# Altium PCB 通用工装板.PcbDoc (part 9 of 10) (continued)
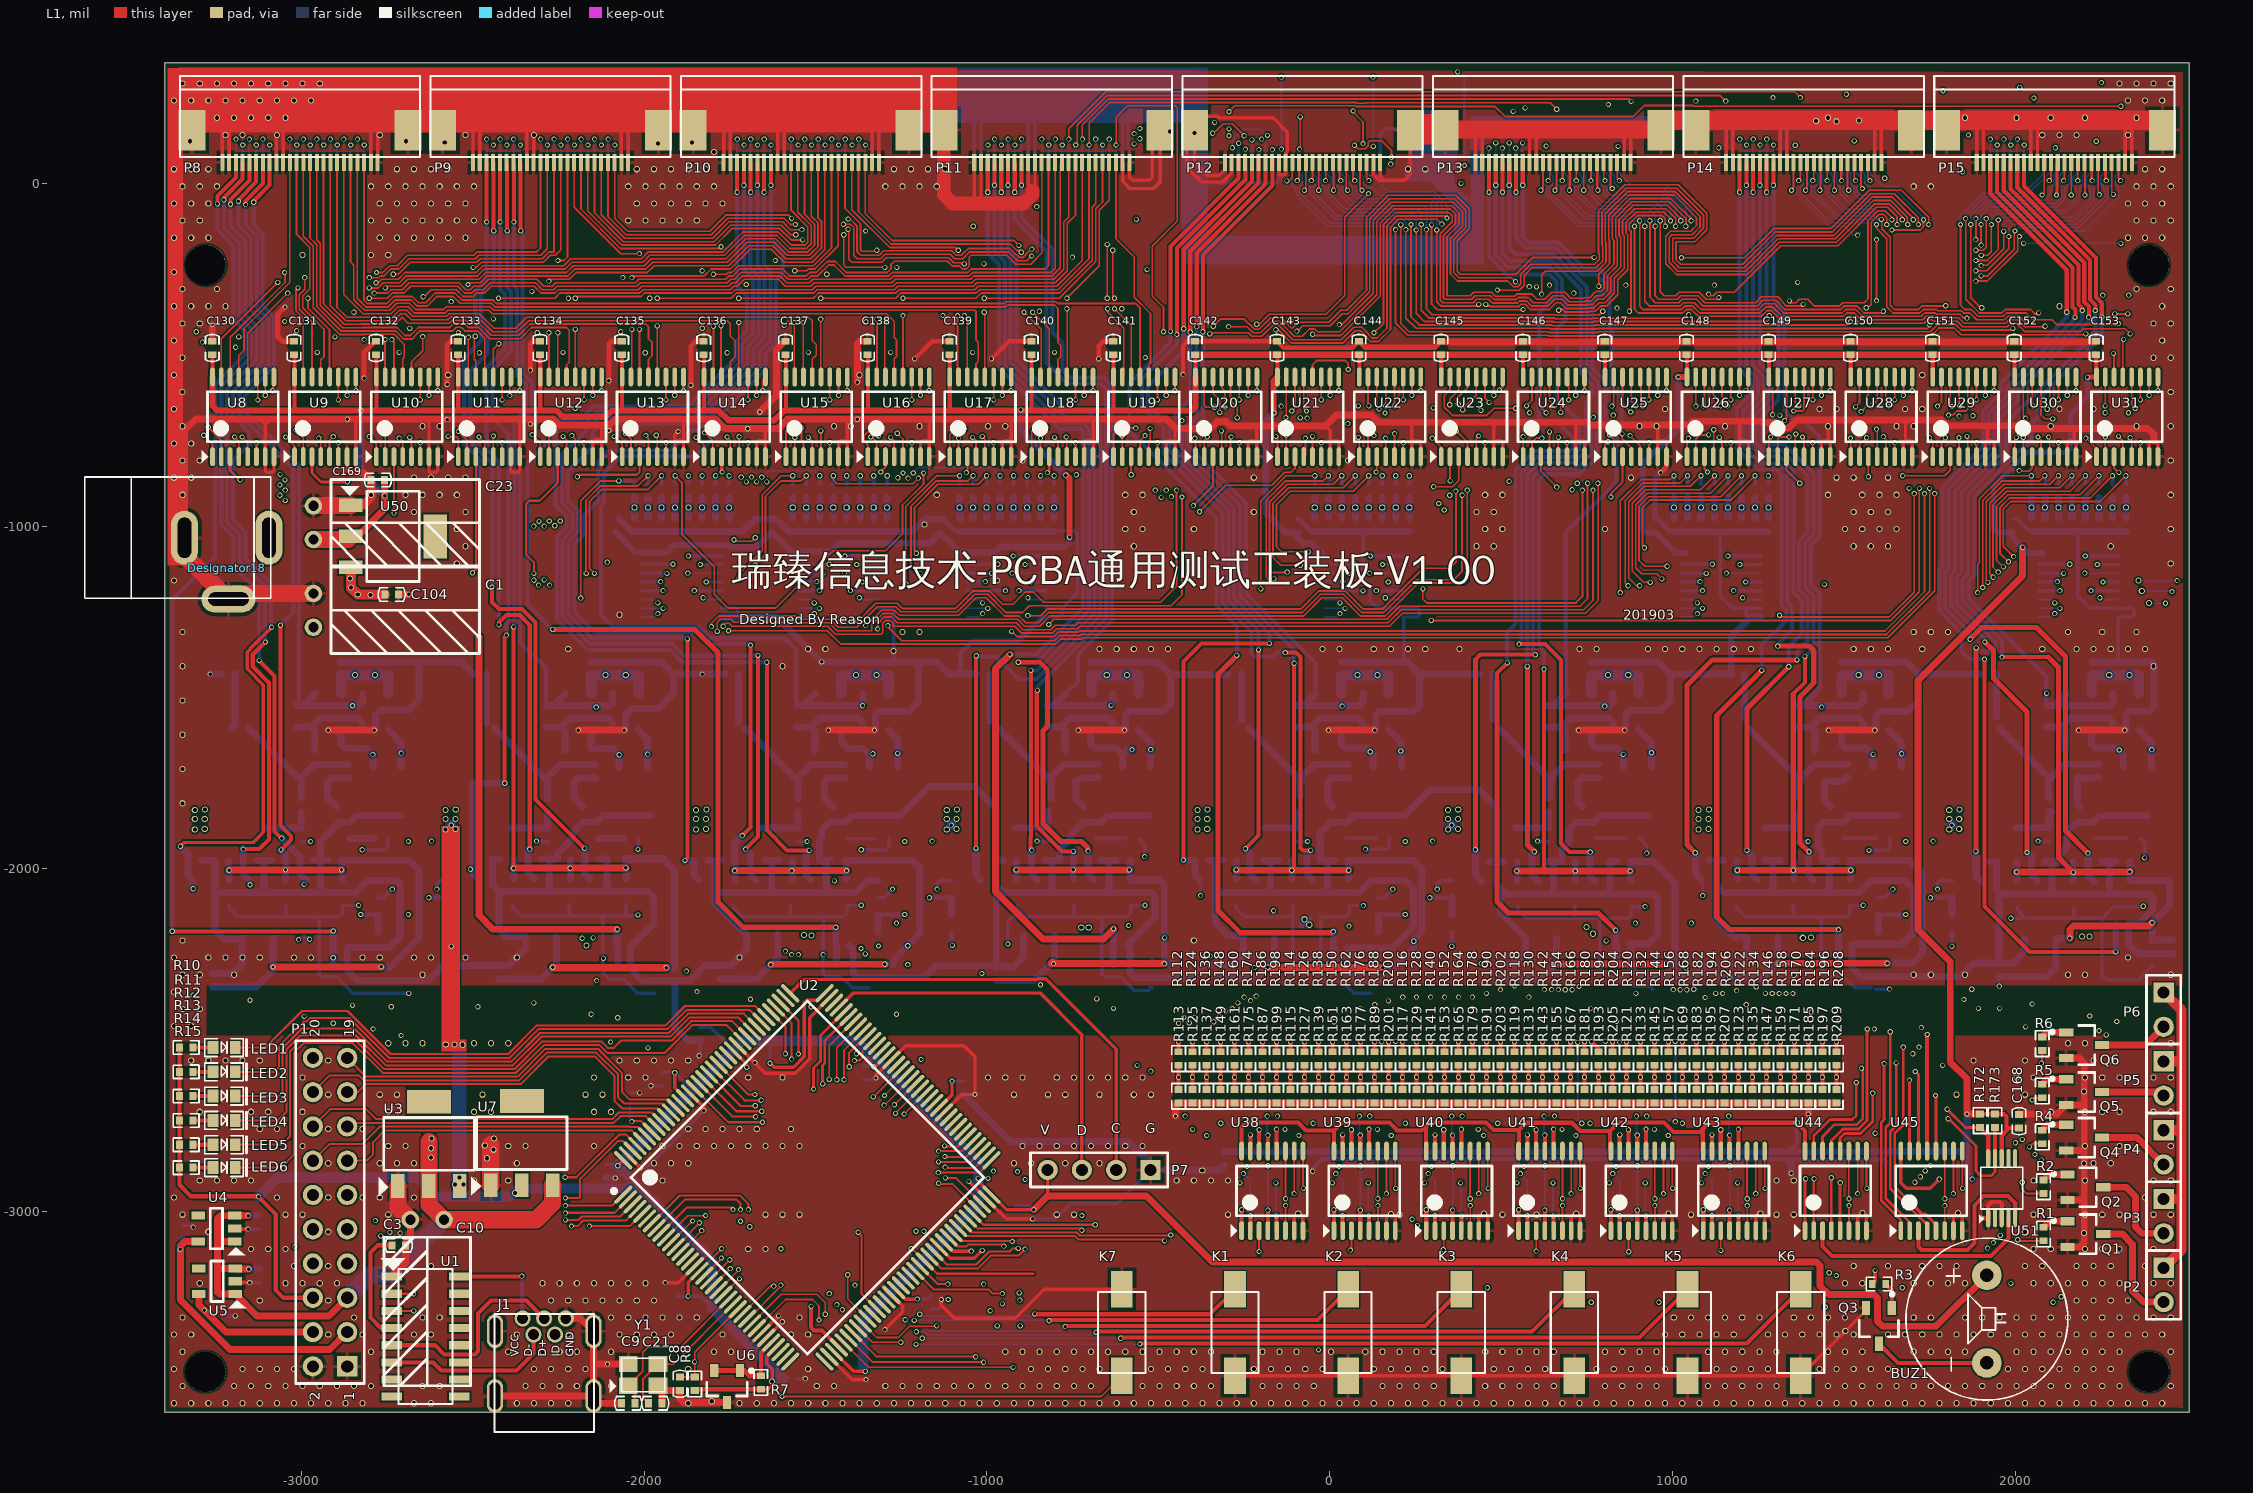
[diagram p0: L1 view]
## Nets (pads, with @x,y where several pads share a name; then routed paths per layer and width w, separated by ;. In a path a pad name is that pad's centre, name@x,y a point inside that pad or via, vN(x,y) a via of type N, cw(c..) or ccw(c..) an arc to the next point about the centre after c; other vN are vias at no path point) (continued)
  L4 w20: v1(597,-1950) 590.19,-1956.81 C85.2@590.19,-1978.7 590.19,-2018.07 U81.5@607.91,-2035.79
VCC+3V0_6: C86.2 P14.5 R190.1 U82.5 | length 3759.9
  L1 w12: R190.1@457.25,-2533.32 v1(457.25,-2504) ; v1(1235.01,-25.99) P14.5@1235.01,60.67
  L1 w15: v1(1217,-1946) 1217,-1532 v1(1339,-1410)
  L2 w6: v1(457,-2363) 457,-2358.51 457.25,-2358.25 v1(457.25,-2504) ; v1(1215,-2396) 1264,-2347 1264,-1993 v1(1217,-1946)
  L3 w6: v1(457,-2363) 462,-2368 563.5,-2368 573,-2358.5 586.42,-2358.5 586.92,-2358 607.92,-2379 731.89,-2379 741.89,-2369 784.11,-2369 800.11,-2385 860.23,-2385 876.73,-2401.5 1209.5,-2401.5 v1(1215,-2396)
  L4 w12: v1(1235.01,-25.99) 1235.01,-532.93 1266.5,-564.42 1266.5,-625.75 1224,-668.25 1224,-761.08 1258.92,-796 1312.08,-796 1352,-835.92 1352,-1192 1377,-1217 1377,-1313 1339,-1351 v1(1339,-1410)
  L4 w20: v1(1217,-1946) 1231.92,-1960.92 C86.2@1231.92,-1974.76 1231.92,-2014.13 U82.5@1249.64,-2031.85
VCC+3V0_7: C87.2 P15.5 R202.1 U83.5 | length 4703.5
  L1 w12: R202.1@498.08,-2533.32 v1(498.08,-2504) ; P15.5@1966.17,60.67 1966.17,-20.46 2184,-238.29 2184,-353.29 2195.5,-364.79 2195.5,-371.5 v1(2195,-371)
  L1 w15: v1(1911,-1338) 1936,-1363 1936,-1444 2034,-1542 v1(2034,-1952)
  L2 w6: v1@498,-2348.17 v1(498,-2352) 498.08,-2352.08 v1(498.08,-2504) ; v1(2034,-1952) 2049,-1967 v1(2049,-2394)
  L3 w6: v1(498,-2352) 503,-2357 558,-2357 568,-2347 591.48,-2347 612.48,-2368 724,-2368 734,-2358 788.67,-2358 804.67,-2374 864.78,-2374 881.28,-2390.5 1190.5,-2390.5 1200.5,-2380.5 1226.5,-2380.5 1247,-2401 1383.52,-2401 1393.02,-2391.5 1414.98,-2391.5 1428.48,-2405 1502.11,-2405 1520.11,-2423 2020,-2423 v1(2049,-2394)
  L4 w12: v1(1911,-1338) 1911,-1331.12 1812,-1232.12 1812,-1140.88 1824,-1128.88 1824,-897.08 1939.38,-781.71 1939.38,-678.01 1990.56,-626.83 1990.56,-602.48 2195,-398.04 v1(2195,-371)
  L4 w20: v1(2034,-1952) C87.2@2048.92,-1966.92 ; C87.2@2046.88,-1978.7 2046.88,-2018.07 U83.5@2064.6,-2035.79
VCC+3V3_0: C96.2 P8.6 R118.1 U84.5 | length 7065.3
  L1 w10: v1(-3353,-1934) -3342,-1923 -3141,-1923 -3111,-1893 -3111,-1463.63 -3158,-1416.63 -3158,-1368.37 -3150,-1360.37 -3150,-1358 v1(-3087,-1295)
  L1 w12: v1(-3184,-52) -3184,-48.12 -3132.25,3.62 P8.6@-3132.25,60.67 ; R118.1@538.91,-2533.32 v1(538.91,-2504)
  L2 w6: v1(-3316,-2368) v1(-3316,-2058) ; v1(538.91,-2504) 538.91,-2341.09 v1(539,-2341)
  L3 w6: v1(-3316,-2368) -3315,-2367 -3135,-2367 -3108,-2394 -2903.44,-2394 -2880.39,-2417.06 -2880.39,-2417.5 -2379.5,-2417.5 -2336.5,-2374.5 -2045.27,-2374.5 -2035.27,-2384.5 -1735,-2384.5 -1715,-2364.5 -1675,-2364.5 -1666,-2373.5 -1553.09,-2373.5 -1533.09,-2353.5 -1309.84,-2353.5 -1298.84,-2342.5 -870.42,-2342.5 -849.92,-2322 -831,-2322 -821.5,-2331.5 -716.65,-2331.5 -688.15,-2303 -322.89,-2303 -312.39,-2292.5 -247,-2292.5 -225.5,-2271 -175.08,-2271 -131.58,-2314.5 332.06,-2314.5 353.56,-2336 534,-2336 v1(539,-2341)
  L4 w12: v1(-3184,-52) -3184,-122.88 -3147,-159.88 -3147,-370 -3113.5,-403.5 -3113.5,-520.46 -3200,-606.96 -3200,-678 -3153,-725 -3153,-762 -3200,-809 -3200,-980.92 -3164,-1016.92 -3164,-1092.59 -3089,-1167.59 -3089,-1293 v1(-3087,-1295)
  L4 w20: v1(-3353,-1934) -3331.07,-1955.93 C96.2@-3331.07,-1974.76 -3331.07,-2018.07 U84.5@-3317.29,-2031.85 -3317.29,-2056.71 v1(-3316,-2058)
VCC+3V3_1: C97.2 P9.6 R130.1 U85.5 | length 6089.7
  L1 w12: v1(-2407,-1750) -2407,-1323 v1(-2402,-1318) ; P9.6@-2400.58,60.67 -2400.58,-137.79 v1(-2399.69,-138.67) ; R130.1@579.74,-2533.32 v1(579.74,-2504)
  L2 w6: v1(-2507,-2001) -2511,-2001 -2485,-2027 v1(-2485,-2402) ; v1(579.74,-2504) 579.74,-2425.26 626,-2379 v1(626,-2352)
  L3 w6: v1(-2485,-2402) -2480.5,-2406.5 -2384.06,-2406.5 -2341.06,-2363.5 -2040.72,-2363.5 -2030.72,-2373.5 -1739.56,-2373.5 -1719.56,-2353.5 -1670.44,-2353.5 -1661.44,-2362.5 -1557.65,-2362.5 -1537.65,-2342.5 -1314.39,-2342.5 -1303.39,-2331.5 -874.98,-2331.5 -854.48,-2311 -826.44,-2311 -816.94,-2320.5 -721.2,-2320.5 -692.7,-2292 -327.45,-2292 -316.95,-2281.5 -251.56,-2281.5 -230.06,-2260 -170.52,-2260 -127.02,-2303.5 336.61,-2303.5 358.11,-2325 546,-2325 557,-2336 596.03,-2336 612.03,-2352 v1(626,-2352)
  L4 w12: v1(-2402,-1318) -2402,-1280 -2395.89,-1273.89 -2395.89,-731.11 -2443,-684 -2443,-545.04 -2388.5,-490.54 -2388.5,-315.5 -2399.69,-304.31 v1(-2399.69,-138.67)
  L4 w20: U85.5@-2486.58,-2027.91 -2500.36,-2014.13 C97.2@-2500.36,-1970.83 -2500.36,-1753.36 -2496,-1749 -2408,-1749 v1(-2407,-1750)
VCC+3V3_2: C98.2 P10.6 R142.1 U86.5 | length 6094.4
  L1 w12: v1(-1881,-1975) -1874,-1968 v1(-1874,-1329) ; v1(-1669.93,-5.7) P10.6@-1669.93,60.67 ; R142.1@620.57,-2533.32 v1(620.57,-2504)
  L2 w6: v1(-1881,-1975) -1846,-2010 v1(-1846,-2358) ; v1(620.57,-2504) 620.57,-2400.43 647,-2374 v1(647,-2352)
  L3 w6: v1(-1846,-2358) -1846,-2354.5 -1838,-2362.5 -1744.11,-2362.5 -1724.11,-2342.5 -1665.89,-2342.5 -1656.89,-2351.5 -1562.2,-2351.5 -1542.2,-2331.5 -1318.95,-2331.5 -1307.95,-2320.5 -879.53,-2320.5 -859.03,-2300 -821.89,-2300 -812.39,-2309.5 -725.76,-2309.5 -697.26,-2281 -509.92,-2281 -489.42,-2260.5 -475.5,-2260.5 -455,-2281 -332.01,-2281 -321.51,-2270.5 -256.11,-2270.5 -234.61,-2249 -165.97,-2249 -122.47,-2292.5 117.5,-2292.5 137.74,-2272.26 164.26,-2272.26 184.5,-2292.5 341.17,-2292.5 362.67,-2314 550.56,-2314 561.56,-2325 620.92,-2325 647,-2351.08 v1(647,-2352)
  L4 w12: v1(-1874,-1329) -1876,-1327 -2151.04,-1327 -2220.5,-1257.54 -2220.5,-1045.58 -2192.5,-1017.58 -2192.5,-956.42 -2223,-925.92 -2223,-841.1 -2150.9,-769 -2150.9,-726.1 -2126.8,-702 -1851.88,-702 -1682,-532.12 -1682,-484.08 -1649,-451.08 -1649,-263.92 -1669.93,-242.98 v1(-1669.93,-5.7)
  L4 w20: v1(-1881,-1975) -1881,-1976 -1879.76,-1974.76 C98.2@-1854.69,-1974.76 -1854.69,-2018.07 U86.5@-1840.91,-2031.85
VCC+3V3_3: C99.2 P11.6 R154.1 U87.5 | length 4958.2
  L1 w12: v1(-1032,-1940) -1032,-1379 -1033,-1378 v1(-1031,-1378) ; v1(-938.78,-5.7) P11.6@-938.78,60.67 ; R154.1@661.4,-2533.32 v1(661.4,-2504)
  L2 w6: v1(-1032,-1940) -1015,-1957 v1(-1015,-2305) ; v1(661.4,-2504) 661.4,-2408.6 667,-2403 v1(667,-2352)
  L3 w6: v1(-1015,-2305) -1015,-2303 -1008.5,-2309.5 -884.09,-2309.5 -863.59,-2289 -817.33,-2289 -807.83,-2298.5 -730.31,-2298.5 -701.81,-2270 -514.48,-2270 -493.98,-2249.5 -470.94,-2249.5 -450.44,-2270 -336.56,-2270 -326.06,-2259.5 -260.67,-2259.5 -239.17,-2238 -161.41,-2238 -117.91,-2281.5 112.94,-2281.5 133.19,-2261.26 168.81,-2261.26 189.06,-2281.5 345.73,-2281.5 367.23,-2303 555.11,-2303 566.11,-2314 630.92,-2314 667,-2350.08 v1(667,-2352)
  L4 w12: v1(-1031,-1378) -1028,-1381 -973,-1381 -908,-1446 -855.08,-1446 -669,-1259.92 -669,-701.88 -705.88,-665 -764.96,-665 -914,-515.96 -914,-214.88 -938.78,-190.1 v1(-938.78,-5.7)
  L4 w20: v1(-1032,-1940) -1031.86,-1940.14 C99.2@-1031.86,-1974.76 -1031.86,-2018.07 U87.5@-1018.08,-2031.85
VCC+3V3_4: C100.2 P12.6 R166.1 U88.5 | length 4120.3
  L1 w12: v1(-427,-1974) -427,-1395 -374,-1342 v1(-176,-1342) ; v1(-407,-434) -407,-198.12 -208.32,0.56 P12.6@-208.32,73 ; R166.1@702.23,-2533.32 v1(702.23,-2504)
  L2 w6: v1(-377,-2078) -377,-2226 v1(-349,-2254) ; v1(687,-2352.5) 687,-2488.77 v1(702.23,-2504)
  L3 w6: v1(-349,-2254) -343.5,-2248.5 -272,-2248.5 -250.5,-2227 -156.85,-2227 -113.35,-2270.5 108.39,-2270.5 128.63,-2250.26 173.37,-2250.26 193.61,-2270.5 350.28,-2270.5 371.78,-2292 559.67,-2292 570.67,-2303 639.92,-2303 687,-2350.08 v1(687,-2352.5) 686,-2353.5 v1@686,-2356
  L4 w6: U88.5@-380.28,-2031.85 -377,-2035.13 v1(-377,-2078)
  L4 w12: v1(-407,-434) -407,-631 -450.22,-674.22 -450.22,-775.83 -279,-947.04 -279,-1210.08 -176,-1313.08 v1(-176,-1342)
  L4 w20: v1(-427,-1974) -426.24,-1974.76 C100.2@-394.06,-1974.76 -394.06,-2018.07 U88.5@-380.28,-2031.85
VCC+3V3_5: C101.2 P13.6 R180.1 U89.5 | length 3422.7
  L1 w12: 425,-1389 439,-1375 v1(600,-1375) ; v1(523.54,-5.7) P13.6@523.54,60.67 ; R180.1@743.06,-2533.32 v1(743.06,-2504)
  L1 w15: v1(425,-1944) 425,-1389
  L2 w6: v1(425,-1944) 442,-1961 v1(442,-2276) ; v1(707,-2352.5) 707,-2467.94 v1(743.06,-2504)
  L3 w6: v1(442,-2276) 447,-2281 564.23,-2281 575.23,-2292 648.42,-2292 707,-2350.58 v1(707,-2352.5)
  L4 w12: v1(523.54,-5.7) 523.54,-189.54 540,-206 653.12,-206 750,-302.88 750,-546.96 784,-580.96 784,-627.04 787.5,-630.54 787.5,-694.5 762,-720 762,-791.12 721.62,-831.5 618.62,-831.5 593,-857.12 593,-1368 v1(600,-1375)
  L4 w20: v1(425,-1944) 424.83,-1944.17 C101.2@424.83,-1978.7 424.83,-2018.07 U89.5@442.55,-2035.79
VCC+3V3_6: C102.2 P14.6 R192.1 U90.5 | length 3495.3
  L1 w12: v1(764,-2504) 783.89,-2523.89 R192.1@783.89,-2533.32 ; v1(1254.7,-5.7) P14.6@1254.7,60.67
  L1 w15: v1(1066,-1953) 1042,-1929 1042,-1464 1116,-1390 v1(1363,-1390)
  L2 w6: v1(727,-2343) 725,-2345 725,-2445.11 764,-2484.11 v1(764,-2504) ; v1(1088,-2078) 1096,-2086 1095,-2087 1097,-2089 1095,-2091 v1(1095,-2375)
  L3 w6: v1(727,-2343) 789.23,-2343 809.23,-2363 869.34,-2363 885.34,-2379 1091,-2379 v1(1095,-2375)
  L4 w6: U90.5@1084.28,-2031.85 1088,-2035.57 v1(1088,-2078)
  L4 w12: v1(1254.7,-5.7) 1254.7,-528.58 1283.5,-557.38 1283.5,-632.79 1241.14,-675.14 1241.14,-754.19 1265.96,-779 1319.12,-779 1394,-853.88 1394,-1018 1369,-1043 1369,-1184.96 1394,-1209.96 1394,-1335 1363,-1366 v1(1363,-1390)
  L4 w20: v1(1066,-1953) 1066.57,-1953.57 C102.2@1066.57,-1974.76 1066.57,-2014.13 U90.5@1084.28,-2031.85
VCC+3V3_7: C103.2 P15.6 R204.1 U91.5 | length 4176.8
  L1 w12: R204.1@824.72,-2533.32 v1(824.72,-2504) ; P15.6@1985.86,60.67 1985.86,-16.1 2201,-231.25 2201,-346.25 2214.5,-359.75 2214.5,-389.5 v1(2214,-390)
  L1 w15: v1(1885,-1949) 1885,-1356 v1(1886,-1355)
  L2 w6: v1(824.72,-2504) 882.51,-2446.21 882.51,-2373.49 v1(893,-2363) ; v1(1885,-1949) 1892,-1956 v1(1892,-2407)
  L3 w6: v1(893,-2363) 898,-2368 1067,-2368 1078.5,-2356.5 1097.5,-2356.5 1100.5,-2359.5 1101.42,-2359.5 1110.5,-2368.58 1110.5,-2369.5 1120,-2379 1186.44,-2379 1195.94,-2369.5 1231.06,-2369.5 1251.56,-2390 1378.97,-2390 1388.47,-2380.5 1419.53,-2380.5 1433.03,-2394 1506.67,-2394 1524.67,-2412 1883,-2412 1888,-2407 v1(1892,-2407)
  L4 w12: v1(1886,-1355) 1897,-1366 1929.98,-1366 1943.98,-1352 1943.98,-1340.06 1829,-1225.08 1829,-1147.92 1843,-1133.92 1843,-902.12 1956.38,-788.75 1956.38,-685.06 2007.56,-633.87 2007.56,-609.53 2214,-403.08 v1(2214,-390)
  L4 w20: v1(1885,-1949) 1885.46,-1949.46 C103.2@1885.46,-1978.7 1885.46,-2022.01 U91.5@1899.24,-2035.79
VCC+5V0-0: C25.2 C40.2 C56.2 C72.2 C88.2 P8.7 R120.1 U52.2 U60.1 U68.1 U76.1 U84.1 | length 8275.9
  L1 w12: v1(-3163,-62) -3163,-51.17 -3112.57,-0.73 P8.7@-3112.57,60.67 ; v1(-3061,-1289) -3061,-1873 -3030,-1904 -3030,-1915 v1(-3059.68,-1944.68) ; R120.1@865.55,-2533.32 v1(865.55,-2504)
  L1 w20: v1(-3211,-2004) -3210,-2003 v1(-3046.5,-2003) v1(-2883,-2003) ; v1(-3083,-2286) -3082.79,-2285.79 v1(-2767,-2285.79)
  L2 w6: v1(-2767,-2285.79) -2739.21,-2285.79 -2738,-2287 v1(-2738,-2402) ; v1(865.55,-2504) 876,-2504 1002,-2378 v1(1002,-2352)
  L3 w6: v1(-2738,-2402) -2733.5,-2406.5 -2511.42,-2406.5 -2491.42,-2386.5 -2379.61,-2386.5 -2345.61,-2352.5 -2036.16,-2352.5 -2026.16,-2362.5 -1875.5,-2362.5 -1854,-2341 -1833,-2341 -1822.5,-2351.5 -1748.67,-2351.5 -1728.67,-2331.5 -1661.33,-2331.5 -1652.33,-2340.5 -1566.76,-2340.5 -1546.76,-2320.5 -1323.51,-2320.5 -1312.51,-2309.5 -1041.42,-2309.5 -1021.42,-2289.5 -879.65,-2289.5 -849.15,-2259 -519.03,-2259 -498.53,-2238.5 -466.39,-2238.5 -445.89,-2259 -375.92,-2259 -354.42,-2237.5 -276.56,-2237.5 -255.06,-2216 -152.3,-2216 -108.8,-2259.5 103.83,-2259.5 124.08,-2239.26 177.92,-2239.26 198.17,-2259.5 494.5,-2259.5 505,-2270 643.08,-2270 652.58,-2260.5 665.42,-2260.5 732.42,-2327.5 789.28,-2327.5 813.78,-2352 873.89,-2352 878.39,-2347.5 997.5,-2347.5 v1(1002,-2352)
  L4 w12: v1(-3163,-62) -3163,-119.83 -3130,-152.83 -3130,-362.96 -3096.5,-396.46 -3096.5,-527.5 -3181.42,-612.42 -3181.42,-672.54 -3024,-829.96 -3024,-1252 v1(-3061,-1289)
  L4 w20: C40.2@-3260.2,-2344.84 -3131.84,-2344.84 -3083.04,-2296.04 ; U84.1@-3210.99,-2031.85 C25.2@-3210.99,-1976.73 ; v1(-3083,-2286) U52.2@-3083.04,-2202.13 ; v1(-3059.68,-1944.68) -3047.61,-1956.75 C56.2@-3047.61,-1974.76 ; U76.1@-3045.64,-2031.85 C56.2@-3045.64,-1976.73 ; v1(-2883,-2003) v1@-2882.25,-2003 ; U68.1@-2880.28,-2031.85 -2882.25,-2029.88 v1@-2882.25,-2003 ; U60.1@-2801.54,-2287.76 -2799.57,-2285.79 v1(-2767,-2285.79) C88.2@-2740.52,-2285.79 -2657,-2202.27 -2657,-2003 -2685.24,-1974.76 C72.2@-2882.25,-1974.76 v1@-2882.25,-2003
VCC+5V0-1: C27.2 C41.2 C57.2 C73.2 C89.2 P9.7 R132.1 U53.2 U61.1 U69.1 U77.1 U85.1 | length 7052
  L1 w12: v1(-2381,-1998) v1(-2381,-1294) ; v1(-2380.32,-112.67) P9.7@-2380.32,60.67 ; R132.1@906.38,-2533.32 v1(906.38,-2504)
  L1 w20: v1(-2381,-1998) -2380,-1997 v1@-2216,-1997 ; v1(-2216,-1998) v1@-2216,-1997 ; v1(-2053.51,-1997) v1@-2216,-1997
  L1 w22: v1(-2267,-2287) -2266.24,-2287.76 v1(-1936,-2287.76)
  L2 w6: v1(-1936,-2287.76) -1887.24,-2287.76 v1(-1877,-2298) ; v1(906.38,-2504) 1021,-2389.38 1021,-2353.5 v1(1022,-2352.5)
  L3 w6: v1(-1877,-2298) -1845,-2330 -1742.73,-2330 -1733.23,-2320.5 -1656.77,-2320.5 -1647.77,-2329.5 -1571.31,-2329.5 -1551.31,-2309.5 -1328.06,-2309.5 -1317.06,-2298.5 -1045.98,-2298.5 -1025.98,-2278.5 -885,-2278.5 -854.5,-2248 -523.59,-2248 -503.09,-2227.5 -461.83,-2227.5 -441.33,-2248 -380.48,-2248 -358.98,-2226.5 -281.11,-2226.5 -259.61,-2205 -147.74,-2205 -104.24,-2248.5 99.27,-2248.5 119.52,-2228.26 182.48,-2228.26 202.73,-2248.5 499.06,-2248.5 509.56,-2259 638.52,-2259 648.02,-2249.5 669.98,-2249.5 736.98,-2316.5 793.84,-2316.5 818.34,-2341 869.34,-2341 873.84,-2336.5 1008.42,-2336.5 1022,-2350.08 v1(1022,-2352.5)
  L4 w12: v1(-2381,-1294) -2378.89,-1291.89 -2378.89,-692.89 -2344.71,-658.71 -2344.71,-587.29 -2371.5,-560.5 -2371.5,-308.46 -2380.32,-299.64 v1(-2380.32,-112.67)
  L4 w20: C57.2@-2425.56,-2321.22 -2300.22,-2321.22 -2256.27,-2277.27 U53.2@-2256.27,-2198.19 ; U85.1@-2380.28,-2027.91 C89.2@-2380.28,-1972.8 ; U77.1@-2214.93,-2027.91 C41.2@-2214.93,-1972.8 ; U69.1@-2053.51,-2027.91 v1(-2053.51,-1997) C73.2@-2053.51,-1972.8
  L4 w22: C73.2@-2055.48,-1970.83 -1945.17,-1970.83 -1911.78,-2004.22 -1911.78,-2287.76 v1(-1936,-2287.76) U61.1@-1970.83,-2287.76
VCC+5V0-2: C29.2 C42.2 C58.2 C74.2 C90.2 P10.7 R144.1 U54.2 U62.1 U70.1 U78.1 U86.1 | length 7279.2
  L1 w12: v1(-1714,-1903) -1690,-1879 v1(-1690,-1347) ; v1(-1650.25,-25.99) P10.7@-1650.25,60.67 ; R144.1@947.21,-2533.32 v1(947.21,-2504)
  L1 w20: v1(-1736,-2005) v1(-1569,-2005) v1(-1409.81,-2005) ; v1(-1631,-2279) -1629.91,-2277.91 v1(-1298,-2277.91)
  L2 w6: v1(-1231,-2279) v1(-1231,-2224) ; v1(947.21,-2504) 1042,-2409.21 v1(1042,-2352.5)
  L3 w6: v1(-1231,-2279) -1222.5,-2287.5 -1050.53,-2287.5 -1030.53,-2267.5 -889.56,-2267.5 -859.06,-2237 -528.15,-2237 -507.65,-2216.5 -457.27,-2216.5 -436.77,-2237 -385.03,-2237 -363.53,-2215.5 -285.67,-2215.5 -264.17,-2194 -143.19,-2194 -99.69,-2237.5 94.72,-2237.5 114.96,-2217.26 187.04,-2217.26 207.28,-2237.5 306,-2237.5 333,-2210.5 415,-2210.5 442,-2237.5 503.61,-2237.5 514.11,-2248 633.97,-2248 643.47,-2238.5 674.53,-2238.5 741.53,-2305.5 798.39,-2305.5 822.89,-2330 864.78,-2330 869.28,-2325.5 1016.92,-2325.5 1042,-2350.58 v1(1042,-2352.5)
  L4 w12: v1(-1690,-1347) -1693,-1344 -1814.04,-1344 -1848.04,-1310 -2144,-1310 -2203.5,-1250.5 -2203.5,-1052.62 -2175.5,-1024.62 -2175.5,-967.54 -2133.9,-925.94 -2133.9,-811 -2101.9,-779 -1925,-779 -1865,-719 -1844.83,-719 -1663.92,-538.08 -1663.92,-490.04 -1632,-458.12 -1632,-256.88 -1650.25,-238.63 v1(-1650.25,-25.99)
  L4 w20: C90.2@-1779.89,-2321.22 -1672.22,-2321.22 -1610.6,-2259.6 U54.2@-1610.6,-2190.32 ; C58.2@-1736.58,-1974.76 -1736.58,-1925.58 v1(-1714,-1903) ; U86.1@-1734.61,-2031.85 C58.2@-1734.61,-1976.73 ; U78.1@-1567.29,-2029.88 C29.2@-1567.29,-1974.76 ; U70.1@-1409.81,-2029.88 v1(-1409.81,-2005) C74.2@-1409.81,-1974.76 -1219.24,-1974.76 -1196,-1998 -1196,-2189 v1(-1231,-2224) -1272.02,-2265.02 C42.2@-1272.02,-2277.91 v1(-1298,-2277.91) U62.1@-1331.07,-2277.91
VCC+5V0-3: C31.2 C43.2 C59.2 C75.2 C91.2 P11.7 R156.1 U55.2 U63.1 U71.1 U79.1 U87.1 | length 5776.8
  L1 w12: v1(-919.09,-25.99) P11.7@-919.09,60.67 ; v1(-853,-1479) -854,-1479 -855,-1480 -855,-1875 -781,-1949 v1(-748,-1949) ; R156.1@988.04,-2533.32 v1(988.04,-2504)
  L1 w20: v1(-915,-2003) v1(-748,-2003) v1(-585,-2003) ; v1(-806,-2276) -813.17,-2276 -809.17,-2272 -805.17,-2276 v1(-483,-2276)
  L2 w6: v1(988.04,-2504) 988.04,-2490.96 1057.5,-2421.5 1057.5,-2355.5 v1(1062,-2351)
  L3 w6: v1(-482,-2201) -457.22,-2201 -432.22,-2226 -389.59,-2226 -368.09,-2204.5 -290.23,-2204.5 -268.73,-2183 -138.63,-2183 -95.13,-2226.5 90.16,-2226.5 110.41,-2206.26 191.59,-2206.26 211.84,-2226.5 301.44,-2226.5 328.44,-2199.5 419.56,-2199.5 446.56,-2226.5 508.17,-2226.5 518.67,-2237 629.41,-2237 638.91,-2227.5 679.09,-2227.5 746.09,-2294.5 802.95,-2294.5 827.45,-2319 860.23,-2319 864.73,-2314.5 1025.92,-2314.5 1062,-2350.58 v1(1062,-2351)
  L4 w12: v1(-919.09,-25.99) -919.09,-104.91 -826,-198 -826,-524 -766,-584 -669,-584 -652,-601 -652,-1266.96 -853,-1467.96 v1(-853,-1479)
  L4 w20: C91.2@-972.8,-2325.16 -863.16,-2325.16 -803.51,-2265.51 U55.2@-803.51,-2194.25 ; U87.1@-913.75,-2029.88 C75.2@-913.75,-1974.76 ; U79.1@-748.39,-2029.88 C59.2@-748.39,-1974.76 -748.39,-1949.39 v1(-748,-1949) ; v1(-585,-2003) v1@-583.04,-2003 ; C43.2@-583.04,-1974.76 v1@-583.04,-2003 ; U63.1@-523.98,-2277.91 -518.07,-2272 -514.07,-2276 v1(-483,-2276) ; C31.2@-453.12,-2277.91 -459.03,-2272 -463.03,-2276 v1(-483,-2276) ; v1@-583.04,-2003 -583.04,-2029.88 U71.1@-581.07,-2031.85 -498.85,-2031.85 -498,-2031 -483,-2046 v1(-483,-2276)
VCC+5V0-4: C33.2 C44.2 C60.2 C76.2 C92.2 P12.7 R168.1 U56.2 U64.1 U72.1 U80.1 U88.1 | length 5200.7
  L1 w12: v1(-388,-418) -388,-203.17 -187,-2.17 P12.7@-187,70 ; v1(-111,-2004) -104,-1997 v1(-104,-1400) ; R168.1@1028.87,-2533.32 v1(1028.87,-2504)
  L1 w20: v1(-273,-2003) -272,-2004 v1(-111,-2004) v1(54.76,-2004) ; v1(-181,-2287) -180.24,-2287.76 v1(155,-2287.76)
  L2 w6: v1(1028.87,-2504) 1090,-2442.87 1090,-2420 1126,-2384 v1(1126,-2363)
  L3 w6: v1@247.5,-2215.5 296.89,-2215.5 323.89,-2188.5 424.11,-2188.5 451.11,-2215.5 512.73,-2215.5 523.23,-2226 624.85,-2226 634.35,-2216.5 685,-2216.5 752,-2283.5 807.51,-2283.5 832.01,-2308 855.67,-2308 860.17,-2303.5 1030.48,-2303.5 1058.49,-2331.51 1094.51,-2331.51 v1(1126,-2363)
  L4 w12: v1(-388,-418) -388.5,-418.5 -388.5,-682.5 -433.22,-727.22 -433.22,-768.78 -262,-940 -262,-1203.04 -104,-1361.04 v1(-104,-1400)
  L4 w20: C92.2@-327.13,-2317.28 -212.28,-2317.28 -161.78,-2266.78 U56.2@-161.78,-2194.25 ; U88.1@-272.02,-2029.88 C76.2@-272.02,-1974.76 ; U80.1@-110.6,-2029.88 C44.2@-110.6,-1974.76 ; U72.1@54.76,-2029.88 v1(54.76,-2004) C60.2@54.76,-1974.76 243.76,-1974.76 269.43,-2000.43 269.43,-2181.57 245,-2206 v1(245,-2211) 245,-2229.4 C33.2@184.68,-2289.72 ; U64.1@119.72,-2287.76 v1(155,-2287.76) C33.2@182.71,-2287.76
VCC+5V0-5: C35.2 C45.2 C61.2 C77.2 C93.2 P13.7 R182.1 U57.2 U65.1 U73.1 U81.1 U89.1 | length 4360.1
  L1 w12: v1(543.23,-25.99) P13.7@543.23,60.67 ; 625,-2003 v1(625,-1417) ; R182.1@1069.7,-2533.32 v1(1069.7,-2504)
  L1 w20: v1(546,-2006) v1(716,-2006) v1(876,-2006) ; v1(659,-2276) 660,-2277 v1(980,-2277)
  L2 w6: v1(980,-2277) 1027,-2277 v1(1039,-2289) ; v1(1069.7,-2504) 1109,-2464.7 1109,-2417 1146,-2380 v1(1146,-2363.5)
  L3 w6: v1(1039,-2289) 1070.51,-2320.51 1105.43,-2320.51 1146,-2361.08 v1(1146,-2363.5)
  L4 w12: v1(543.23,-25.99) 543.23,-159.23 573,-189 660.17,-189 736.59,-265.42 776.58,-265.42 803.5,-292.34 803.5,-307.66 767,-344.16 767,-539.92 804.5,-577.42 804.5,-701.54 779,-727.04 779,-798.17 728.67,-848.5 625.67,-848.5 610,-864.17 610,-1348 625,-1363 v1(625,-1417)
  L4 w20: C93.2@495.7,-2317.28 619.72,-2317.28 v1@660,-2277 ; U89.1@546.88,-2033.82 C35.2@546.88,-1978.7 ; v1@661.06,-2275.94 U57.2@661.06,-2202.13 ; U81.1@716.17,-2033.82 C77.2@716.17,-1978.7 ; v1(876,-2006) v1@877.59,-2006 ; U73.1@877.59,-2033.82 v1@877.59,-2006 ; U65.1@942.55,-2275.94 v1@980,-2275.94 ; v1(980,-2277) v1@980,-2275.94 ; v1@877.59,-2006 C61.2@877.59,-1978.7 943.7,-1978.7 1007.51,-2042.51 C45.2@1007.51,-2277.91 1005.54,-2275.94 v1@980,-2275.94
VCC+5V0-6: C37.2 C46.2 C62.2 C78.2 C94.2 P14.7 R194.1 U58.2 U66.1 U74.1 U82.1 U90.1 | length 4162.7
  L1 w12: R194.1@1110.53,-2533.32 v1(1110.53,-2504) ; v1(1274.38,-25.99) P14.7@1274.38,60.67 ; 1352,-1490 1386,-1456 v1(1386,-1380)
  L1 w15: v1(1352,-2004) 1352,-1490
  L1 w20: v1(1188.61,-2004) v1(1352,-2004) v1(1520,-2004) ; v1(1306,-2275) v1(1626,-2275)
  L2 w6: v1(1110.53,-2504) 1131,-2483.53 1131,-2419 1167,-2383 v1(1167,-2317)
  L4 w12: v1(1274.38,-25.99) 1274.38,-344.38 1309,-379 1309,-631.33 1258.14,-682.19 1258.14,-747.14 1273,-762 1326.17,-762 1411,-846.83 1411,-1025.04 1386,-1050.04 1386,-1177.92 1411,-1202.92 1411,-1355 v1(1386,-1380)
  L4 w20: C78.2@1137.43,-2317.28 1261.72,-2317.28 v1@1305,-2274 ; U90.1@1188.61,-2029.88 v1(1188.61,-2004) C94.2@1188.61,-1974.76 ; v1@1306.72,-2272.28 U58.2@1306.72,-2198.19 ; U82.1@1353.97,-2029.88 C46.2@1353.97,-1974.76 ; U74.1@1519.32,-2029.88 C62.2@1519.32,-1974.76 1691.76,-1974.76 1729.5,-2012.5 1729.5,-2245.5 1701.02,-2273.98 C37.2@1653.18,-2273.98 v1@1626,-2273.98 ; U66.1@1594.13,-2273.98 v1@1626,-2273.98 ; v1(1626,-2275) v1@1626,-2273.98
VCC+5V0-7: C39.2 C47.2 C63.2 C79.2 C95.2 P15.7 R206.1 U59.2 U67.1 U75.1 U83.1 U91.1 | length 5078
  L1 w12: R206.1@1151.36,-2533.32 v1(1151.36,-2504) ; v1(1961,-1382) 2096,-1382 ; P15.7@2005.54,60.67 2005.54,-11.75 2218,-224.2 2218,-339.2 2233.5,-354.7 2233.5,-371.5 v1(2233,-371)
  L1 w15: 2096,-1382 2126,-1412 2126,-1967 v1(2169,-2010)
  L1 w20: v1(2003.57,-2009) 2333,-2009 v1(2334,-2008) ; v1(2159,-2202) 2159,-2176 2169,-2166 2390,-2166 v1(2399,-2157)
  L2 w6: v1(1151.36,-2504) 1151.36,-2418.64 1187,-2383 v1(1187,-2355) ; v1(1953,-2342) 1954,-2343 v1(1954,-2407)
  L3 w6: v1(1187,-2355) 1232.11,-2355 1256.11,-2379 1372,-2379 1381.5,-2369.5 1424.09,-2369.5 1437.59,-2383 1511.23,-2383 1529.23,-2401 1863,-2401 1878,-2386 1903,-2386 1924,-2407 v1(1954,-2407)
  L4 w6: C47.2@1952.39,-2313.35 1953,-2313.95 v1(1953,-2342)
  L4 w12: v1(1961,-1382) 1960.98,-1333.02 1846,-1218.04 1846,-1154.96 1862,-1138.96 1862,-907.17 1973.38,-795.79 1973.38,-699.62 2233,-440 v1(2233,-371)
  L4 w20: C47.2@1952.39,-2313.35 2092.65,-2313.35 2117.75,-2288.25 U59.2@2117.75,-2202.13 2158.87,-2202.13 v1(2159,-2202) ; U91.1@2003.57,-2033.82 v1(2003.57,-2009) C95.2@2003.57,-1978.7 C95.2@2005.54,-1980.67 ; U83.1@2168.93,-2033.82 C63.2@2168.93,-1978.7 ; C39.2@2334.28,-1978.7 2334.28,-2033.82 2442.82,-2033.82 2449,-2040 2449,-2107 v1@2399.24,-2156.76 ; v1(2399,-2157) v1@2399.24,-2156.76 ; U67.1@2399.24,-2209.02 v1@2399.24,-2156.76 ; U67.1@2401.21,-2207.05 C79.2@2460.27,-2207.05
VCC+12V0: C1.2 C22.2 C24.2 C26.2 C28.2 C30.2 C32.2 C34.2 C36.2 C38.2 C104.2 C106.2 C108.2 C110.2 C112.2 C114.2 C116.2 C118.2 Designator18.1 U3.3 U50.3 U52.3 U53.3 U54.3 U55.3 U56.3 U57.3 U58.3 U59.3 U92.3 U93.3 U94.3 U95.3 U96.3 U97.3 U98.3 U99.3 U100.8 U101.8 U102.8 U103.8 U104.5 U105.5 U106.5 U107.5 U108.5 U109.5 U110.5 U111.5 U112.5 U113.5 U114.5 U115.5 U116.5 U117.5 U118.5 U119.5 | length 3757.1
  L1 w30: U50.3@-2855.68,-1120.43 v2(-2855.68,-1179.32) v2(-2835.83,-1199.17) C104.2@-2756.27,-1199.17
  L2 w12: v1(-2563,-2226) v1(-2563,-1872) ; v1(-1103.68,-1872) -1104,-1872.32 -1101,-1875.32 v1(-1101,-2223) ; v1(355.63,-2226) v1(355.63,-1872) ; v1(1814.95,-2226) v1(1814.95,-1872)
  L4 w12: v1(-3008,-2206) -3004.13,-2202.13 U52.3@-2992.49,-2202.13 -2978.87,-2202.13 v1(-2976,-2205) ; v1(-2563,-2226) -2562.37,-2225.37 U100.8@-2562.37,-2183.62 ; U101.8@-1103.05,-2183.62 -1103.05,-2225.37 -1104,-2224.42 -1102.58,-2223 v1(-1101,-2223) ; v1(355.63,-2226) 356.26,-2225.37 U102.8@356.26,-2183.62 ; v1(1814.95,-2226) 1815.58,-2225.37 U103.8@1815.58,-2183.62
  L4 w30: U104.5@-2884.22,-1488.54 -2884.22,-1437.36 C106.2@-2886.19,-1435.39 C24.2@-2744.46,-1435.39 -2746.43,-1437.36 U112.5@-2746.43,-1488.54 ; U93.3@-2564.48,-1872.4 -2563.4,-1872.4 v1(-2563,-1872) ; U105.5@-2154.75,-1488.54 -2154.75,-1436.8 C38.2@-2156.16,-1435.39 C26.2@-2015.55,-1435.39 -2015.55,-1487.14 U113.5@-2016.95,-1488.54 ; U106.5@-1425.28,-1488.54 -1425.28,-1436.24 C108.2@-1426.12,-1435.39 C28.2@-1286.64,-1435.39 -1286.64,-1487.7 U114.5@-1287.48,-1488.54 ; U95.3@-1105.16,-1872.4 -1104.08,-1872.4 v1(-1103.68,-1872) ; U107.5@-695.81,-1488.54 -695.81,-1435.68 C110.2@-696.09,-1435.39 C30.2@-557.73,-1435.39 -557.73,-1488.26 U115.5@-558.01,-1488.54 ; U108.5@33.66,-1488.54 33.66,-1435.67 C112.2@33.95,-1435.39 C22.2@171.18,-1435.39 171.46,-1435.68 U116.5@171.46,-1488.54 ; U97.3@354.16,-1872.4 355.23,-1872.4 v1(355.63,-1872) ; U109.5@763.14,-1488.54 763.14,-1436.24 C114.2@763.98,-1435.39 C32.2@900.09,-1435.39 900.93,-1436.24 U117.5@900.93,-1488.54 ; U110.5@1492.61,-1488.54 1492.61,-1436.8 C116.2@1494.01,-1435.39 C34.2@1629,-1435.39 1629,-1487.14 U118.5@1630.4,-1488.54 ; U99.3@1813.47,-1872.4 1814.55,-1872.4 v1(1814.95,-1872) ; U111.5@2222.08,-1488.54 2222.08,-1437.36 C118.2@2224.05,-1435.39 C36.2@2357.9,-1435.39 2359.87,-1437.36 U119.5@2359.87,-1488.54
  other v1: -2181.23,-2202.06 -2149.23,-2201.06
  other v2: -2552,-2921 -2527,-2921 -2539,-2900 -2530,-2513 -2579,-2512 -2553,-2512 -2168,-2223 1380,-2201 1404,-2200 2194,-2197 2216,-2197 -1512,-2194 -1534,-2193 768,-2189 -725,-2171 -703,-2171 749,-2169 -60,-2163 -74,-2147 -3311,-1885 -2579.84,-1885 -1848.68,-1885 -1117.52,-1885 -386.37,-1885 344.79,-1885 1075.95,-1885 1807.11,-1885 -3282,-1884 -2550.84,-1884 -1819.68,-1884 -1088.52,-1884 -357.37,-1884 373.79,-1884 1104.95,-1884 1836.11,-1884 -3311,-1854 -3282,-1854 -2579.84,-1854 -2550.84,-1854 -1848.68,-1854 -1819.68,-1854 -1117.52,-1854 -1088.52,-1854 -386.37,-1854 -357.37,-1854 344.79,-1854 373.79,-1854 1075.95,-1854 1104.95,-1854 1807.11,-1854 1836.11,-1854 -3311,-1828 -2579.84,-1828 -1848.68,-1828 -1117.52,-1828 -386.37,-1828 344.79,-1828 1075.95,-1828 1807.11,-1828 -3281,-1827 -2549.84,-1827 -1818.68,-1827 -1087.52,-1827 -356.37,-1827 374.79,-1827 1105.95,-1827 1837.11,-1827 -2844,-1434 -2785,-1434 -2112.84,-1434 -2053.84,-1434 -1381.68,-1434 -1322.68,-1434 -650.52,-1434 -591.52,-1434 80.63,-1434 139.63,-1434 811.79,-1434 870.79,-1434 1542.95,-1434 1601.95,-1434 2274.11,-1434 2333.11,-1434 -2798,-1201 -2858,-1153
VCC+ADJ_0: P8.8 R122.1 R242.2 U104.4 U112.4 | length 7465.2
  L1 w12: v1(-3139,-55) -3139,-51.21 -3092.88,-5.09 P8.8@-3092.88,60.67 ; R122.1@1192.19,-2533.32 v1(1192.19,-2504)
  L2 w6: v1(-2851,-2398) v1(-2851,-1524) ; v1(1192.19,-2504) 1192.19,-2393.81 1242,-2344 v1(1244,-2344)
  L3 w6: v1(-2851,-2398) -2762.5,-2398 -2750.5,-2386 -2729,-2386 -2719.5,-2395.5 -2515.98,-2395.5 -2495.98,-2375.5 -2384.17,-2375.5 -2350.17,-2341.5 -2031.61,-2341.5 -2021.61,-2351.5 -1963.5,-2351.5 -1894.5,-2282.5 -1862.5,-2282.5 -1835.5,-2309.5 -1652.22,-2309.5 -1643.22,-2318.5 -1575.87,-2318.5 -1555.87,-2298.5 -1349.5,-2298.5 -1313.41,-2262.41 -1223.7,-2262.41 -1209.61,-2276.5 -1055.09,-2276.5 -1035.09,-2256.5 -894.11,-2256.5 -863.61,-2226 -532.7,-2226 -509.87,-2203.17 -506.09,-2203.17 -474.92,-2172 -134.07,-2172 -90.57,-2215.5 85.61,-2215.5 105.85,-2195.26 301.58,-2195.26 319.33,-2177.5 428.67,-2177.5 455.67,-2204.5 517.5,-2204.5 528,-2215 620.3,-2215 629.8,-2205.5 689.56,-2205.5 756.56,-2272.5 812.06,-2272.5 836.56,-2297 851.11,-2297 855.61,-2292.5 1013.58,-2292.5 1032.58,-2273.5 1045.42,-2273.5 1081.43,-2309.51 1109.99,-2309.51 1139.74,-2339.26 1239.26,-2339.26 v1(1244,-2344)
  L4 w12: v1(-3139,-55) -3139,-119.79 -3113,-145.79 -3113,-355.92 -3079.5,-389.42 -3079.5,-534.54 -3164.42,-619.46 -3164.42,-665.5 -3007,-822.92 -3007,-1511.91 R242.2@-3016.11,-1521.02
  L4 w20: R242.2@-3016.11,-1521.02 -3013.91,-1523.23 -2991.5,-1523.23 ; U104.4@-2959.02,-1488.54 -2991.5,-1521.02 -2991.5,-1523.23 ; U112.4@-2821.23,-1488.54 -2821.23,-1514.23 -2830.23,-1523.23 -2991.5,-1523.23